# Altium PCB 考勤机主板3.0（改）.PcbDoc
Units mm, origin at the board's own origin, x right, y up, seen from the top; angles counter-clockwise.
Board outline 180 x 117 mm, 2 copper layers (Top Layer, Bottom Layer); 51 components, 73 nets, 258 pads, 83 vias.
Unrouted connection lines stored in the file: 16.
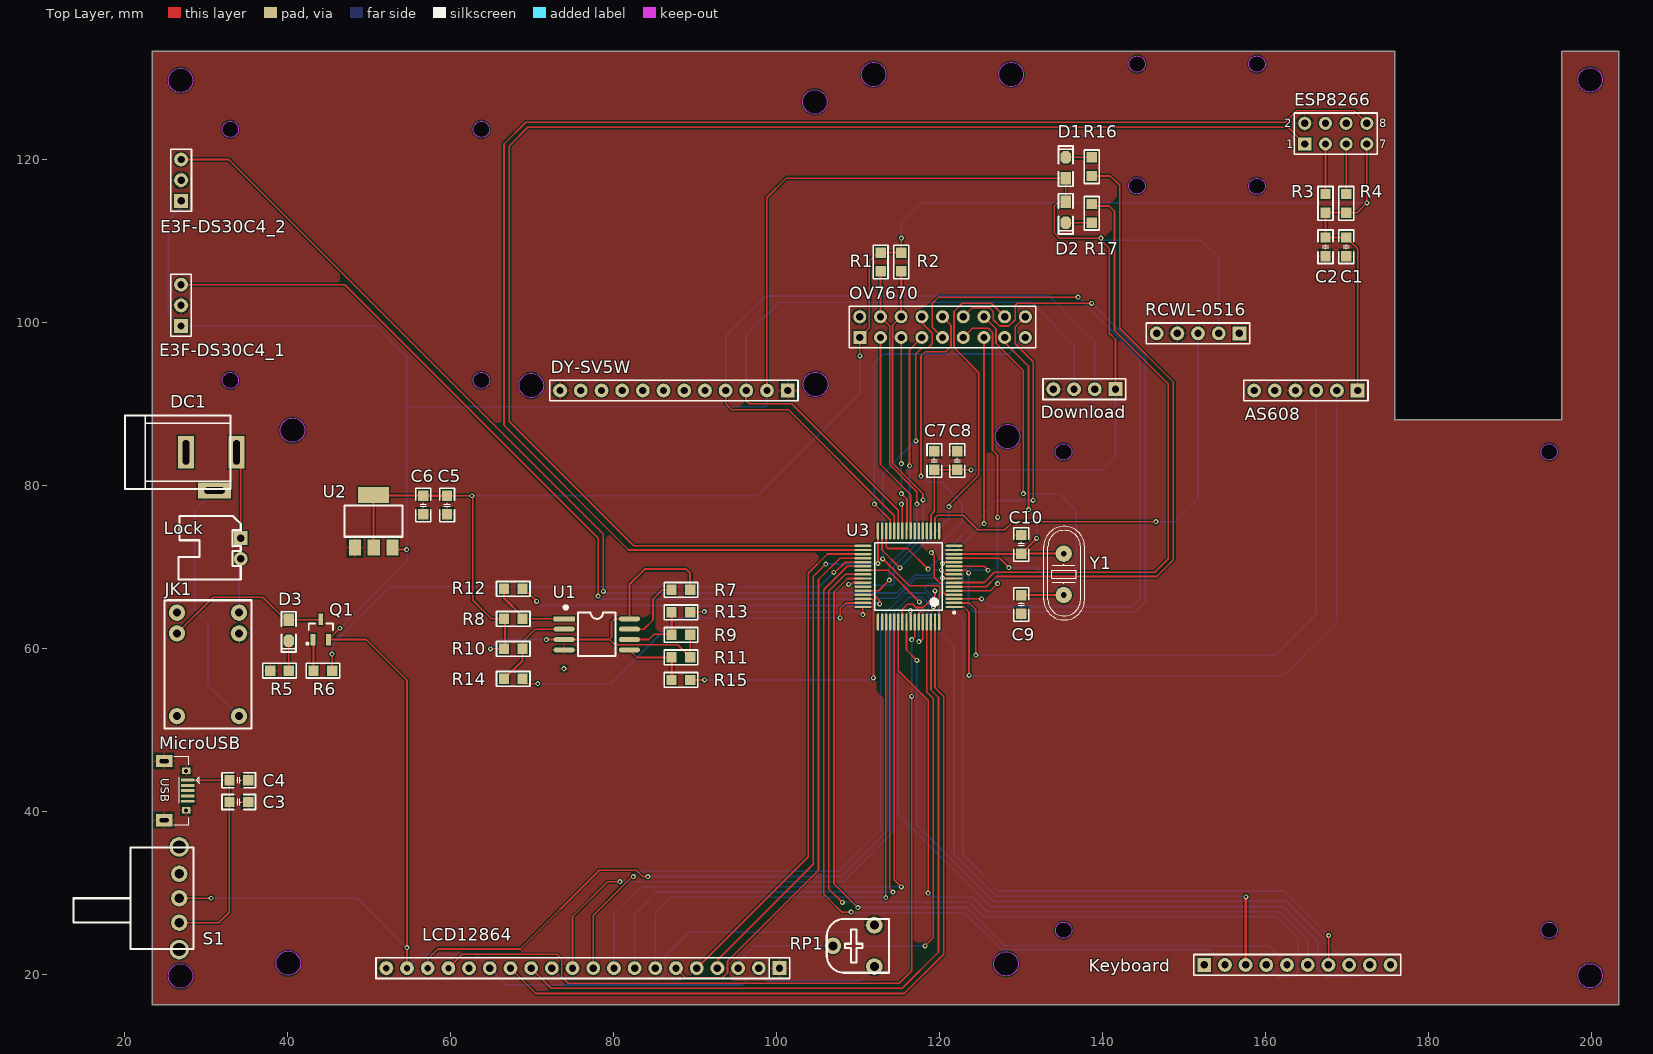
[diagram p0: Top Layer view]
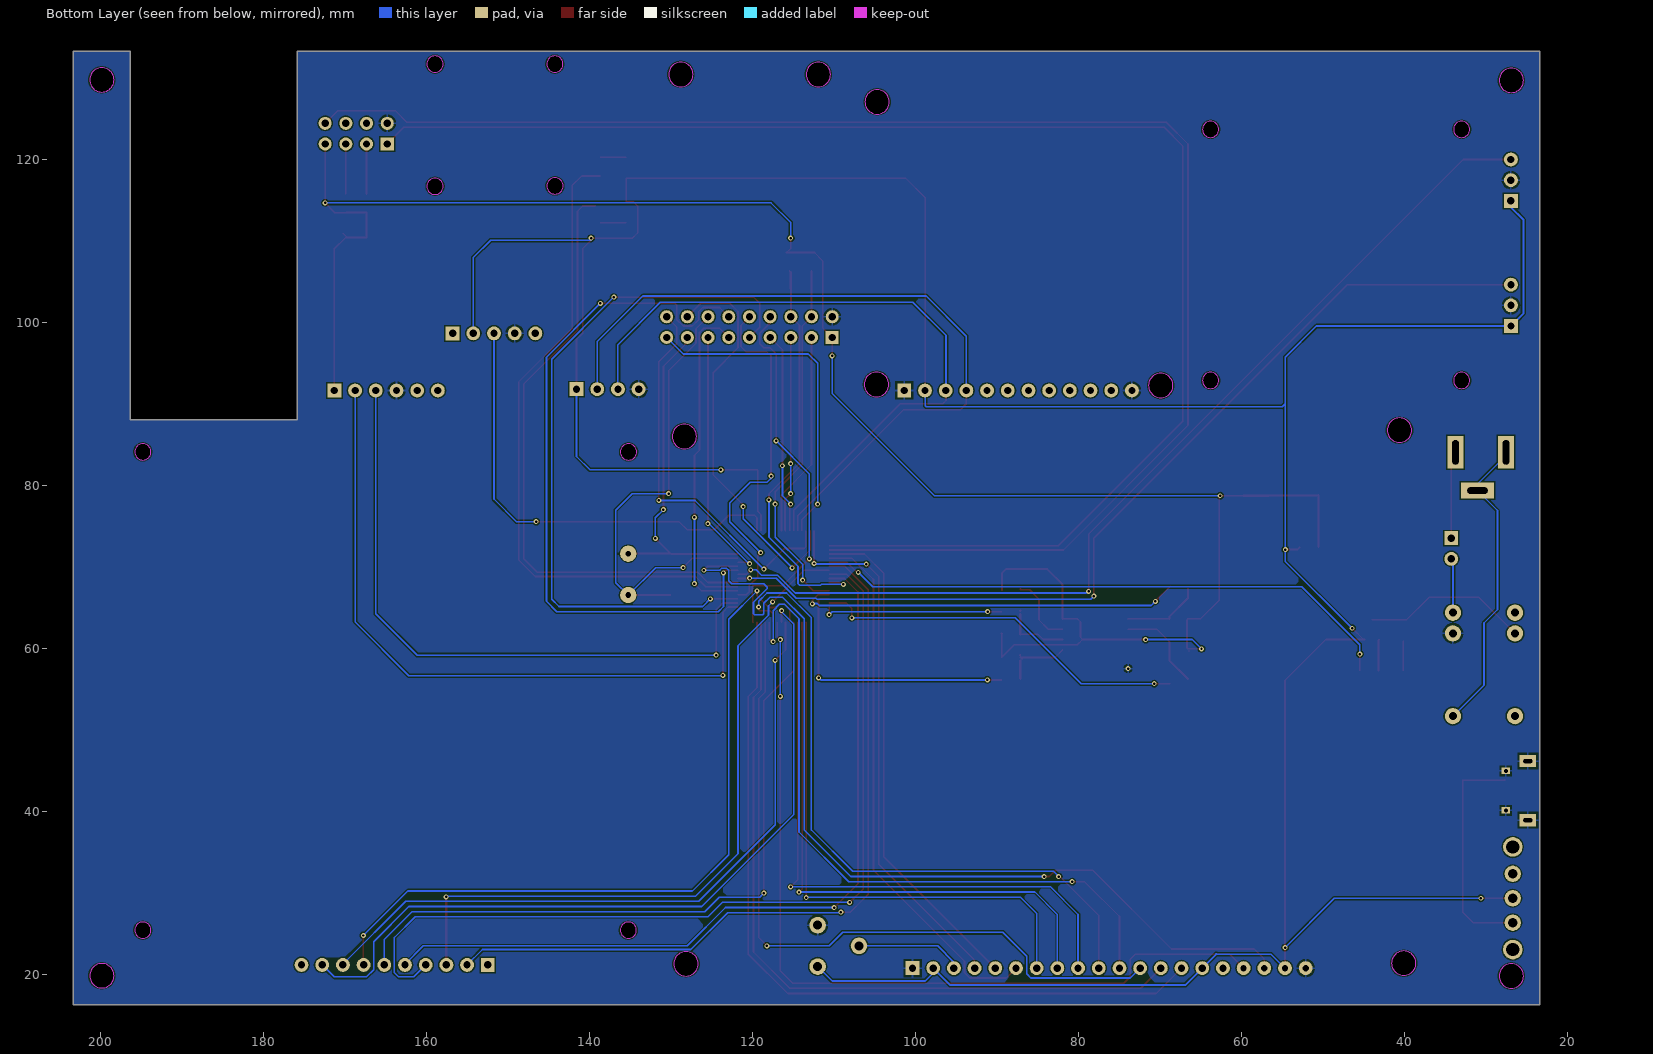
[diagram p1: Bottom Layer view, seen from below]

## Layer stack, top to bottom
Top Solder: solder mask 0.0102, Solder Resist, Dk 3.5
Top Layer: signal copper 0.0356
Dielectric 1: dielectric 0.32, FR-4, Dk 4.8
Bottom Layer: signal copper 0.0356
Bottom Solder: solder mask 0.0102, Solder Resist, Dk 3.5

## Board outline
23.368,16.288 23.368,133.288 175.868,133.288 175.868,88.088 196.368,88.088 196.368,133.288 203.368,133.288 203.368,16.288
cut-out: 32.965,122.706 cw(c32.965,123.706) 31.965,123.706 cw(c32.965,123.706) 32.965,124.706 cw(c32.965,123.706) 33.965,123.706 cw(c32.965,123.706)
cut-out: 111.924,128.952 cw(c111.924,130.452) 110.424,130.452 cw(c111.924,130.452) 111.924,131.952 cw(c111.924,130.452) 113.424,130.452 cw(c111.924,130.452)
cut-out: 128.8,128.952 cw(c128.8,130.452) 127.3,130.452 cw(c128.8,130.452) 128.8,131.952 cw(c128.8,130.452) 130.3,130.452 cw(c128.8,130.452)
cut-out: 40.598,85.287 cw(c40.598,86.787) 39.098,86.787 cw(c40.598,86.787) 40.598,88.287 cw(c40.598,86.787) 42.098,86.787 cw(c40.598,86.787)
cut-out: 104.781,90.903 cw(c104.781,92.403) 103.281,92.403 cw(c104.781,92.403) 104.781,93.903 cw(c104.781,92.403) 106.281,92.403 cw(c104.781,92.403)
cut-out: 135.221,83.119 cw(c135.221,84.119) 134.221,84.119 cw(c135.221,84.119) 135.221,85.119 cw(c135.221,84.119) 136.221,84.119 cw(c135.221,84.119)
cut-out: 40.079,19.867 cw(c40.079,21.367) 38.579,21.367 cw(c40.079,21.367) 40.079,22.867 cw(c40.079,21.367) 41.579,21.367 cw(c40.079,21.367)
cut-out: 158.974,115.723 cw(c158.974,116.723) 157.974,116.723 cw(c158.974,116.723) 158.974,117.723 cw(c158.974,116.723) 159.974,116.723 cw(c158.974,116.723)
cut-out: 144.253,115.768 cw(c144.253,116.768) 143.253,116.768 cw(c144.253,116.768) 144.253,117.768 cw(c144.253,116.768) 145.253,116.768 cw(c144.253,116.768)
cut-out: 158.974,130.723 cw(c158.974,131.723) 157.974,131.723 cw(c158.974,131.723) 158.974,132.723 cw(c158.974,131.723) 159.974,131.723 cw(c158.974,131.723)
cut-out: 144.275,130.723 cw(c144.275,131.723) 143.275,131.723 cw(c144.275,131.723) 144.275,132.723 cw(c144.275,131.723) 145.275,131.723 cw(c144.275,131.723)
cut-out: 104.708,125.581 cw(c104.708,127.081) 103.208,127.081 cw(c104.708,127.081) 104.708,128.581 cw(c104.708,127.081) 106.208,127.081 cw(c104.708,127.081)
cut-out: 69.903,90.776 cw(c69.903,92.276) 68.403,92.276 cw(c69.903,92.276) 69.903,93.776 cw(c69.903,92.276) 71.403,92.276 cw(c69.903,92.276)
cut-out: 199.868,128.288 cw(c199.868,129.788) 198.368,129.788 cw(c199.868,129.788) 199.868,131.288 cw(c199.868,129.788) 201.368,129.788 cw(c199.868,129.788)
cut-out: 194.842,83.122 cw(c194.842,84.122) 193.842,84.122 cw(c194.842,84.122) 194.842,85.122 cw(c194.842,84.122) 195.842,84.122 cw(c194.842,84.122)
cut-out: 194.842,24.414 cw(c194.842,25.414) 193.842,25.414 cw(c194.842,25.414) 194.842,26.414 cw(c194.842,25.414) 195.842,25.414 cw(c194.842,25.414)
cut-out: 135.245,24.414 cw(c135.245,25.414) 134.245,25.414 cw(c135.245,25.414) 135.245,26.414 cw(c135.245,25.414) 136.245,25.414 cw(c135.245,25.414)
cut-out: 63.779,122.706 cw(c63.779,123.706) 62.779,123.706 cw(c63.779,123.706) 63.779,124.706 cw(c63.779,123.706) 64.779,123.706 cw(c63.779,123.706)
cut-out: 63.779,91.892 cw(c63.779,92.892) 62.779,92.892 cw(c63.779,92.892) 63.779,93.892 cw(c63.779,92.892) 64.779,92.892 cw(c63.779,92.892)
cut-out: 32.965,91.892 cw(c32.965,92.892) 31.965,92.892 cw(c32.965,92.892) 32.965,93.892 cw(c32.965,92.892) 33.965,92.892 cw(c32.965,92.892)
cut-out: 128.373,84.521 cw(c128.373,86.021) 126.873,86.021 cw(c128.373,86.021) 128.373,87.521 cw(c128.373,86.021) 129.873,86.021 cw(c128.373,86.021)
cut-out: 26.868,18.288 cw(c26.868,19.788) 25.368,19.788 cw(c26.868,19.788) 26.868,21.288 cw(c26.868,19.788) 28.368,19.788 cw(c26.868,19.788)
cut-out: 128.168,19.788 cw(c128.168,21.288) 126.668,21.288 cw(c128.168,21.288) 128.168,22.788 cw(c128.168,21.288) 129.668,21.288 cw(c128.168,21.288)
cut-out: 26.868,128.223 cw(c26.868,129.723) 25.368,129.723 cw(c26.868,129.723) 26.868,131.223 cw(c26.868,129.723) 28.368,129.723 cw(c26.868,129.723)
cut-out: 199.864,18.323 cw(c199.864,19.823) 198.364,19.823 cw(c199.864,19.823) 199.864,21.323 cw(c199.864,19.823) 201.364,19.823 cw(c199.864,19.823)

## Design rules (kind name [scope] priority, off if disabled: settings)
Clearance [All] p1: gap=0.152 ignorepadtopadclearanceinfootprint=FALSE
HoleSize [All] p1: absolutevalues=TRUE maxlimit=7.62 minlimit=0.025 maxpercent=80.000 minpercent=20.000
MinimumSolderMaskSliver [All] p1: minsoldermaskwidth=0.025
PolygonConnect [All] p1: connectstyle=Relief reliefconductorwidth=0.254 reliefentries=4 polygonreliefangle="90 Angle" airgapwidth=0.254
RoutingVias [All] p1: holewidth=0.305 width=0.61 viastyle="Through Hole" minholewidth=0.305 minwidth=0.61 maxholewidth=0.305 maxwidth=0.61
SilkToSilkClearance [All] p1: silktosilkclearance=0
SilkToSolderMaskClearance [IsPad] p1: minsilkscreentomaskgap=0 clearancetoexposedcopper=TRUE
SolderMaskExpansion [All] p1: expansion=0.102 istentingtop=FALSE
Width [All] p1: maxlimit=1.27 minlimit=0.152 preferedwidth=0.203 minimp=50.000000 maximp=50.000000 favimp=50.000000
26 further rules are at their usual default settings.

## Components (designator, comment, footprint, x,y, rotation, side; value= is the part's Value field where it differs from the comment)
AS608 "HDR-1X6" HDR2.54-LI-6P 164.973,91.662 r180 top
C1 "10uF" "C 0805_M" 169.926,109.298 r90 top
C2 "100nF" "C 0805_M" 167.386,109.298 r90 top
C3 "100nF" "C 0805_M" 34.005,41.148 r180 top
C4 "10uF" "C 0805_M" 34.005,43.815 r180 top
C5 "10uF" "C 0805_M" 59.563,77.597 r90 top
C6 "100nF" "C 0805_M" 56.642,77.597 r90 top
C7 "10uF" "C 0805_M" 119.38,83.058 r90 top
C8 "100nF" "C 0805_M" 122.174,83.058 r90 top
C9 "30pF" "C 0805_M" 130.048,65.405 r90 top
C10 "30pF" "C 0805_M" 130.048,72.771 r270 top
D1 "绿色" "LED 0805G" 135.509,118.999 r90 top
D2 "红色" "LED 0805R" 135.509,113.538 r270 top
D3 "红色" "LED 0805G" 40.132,62.23 r270 top
DC1 "DC005" DC-005 27.521,84.074 r180 top
Download "HDR-1X4" HDR2.54-LI-4P 137.795,91.821 r180 top
DY-SV5W "HDR-1X12" HDR2.54-M-LI-12P 87.406,91.662 r180 top
E3F-DS30C4_1 "HDR-1X3" HDR2.54-M-LI-3P 26.918,102.108 r90 top
E3F-DS30C4_2 "HDR-1X3" HDR2.54-M-LI-3P 26.924,117.475 r90 top
ESP8266 "Header 4X2" HDR2.54-LI-2x4P 168.648,123.183 r0 top
JK1 "继电器HK4100F" "HK4100F - duplicate" 35.56,50.165 r90 top
Keyboard "HDR-1X10" HDR2.54-M-LI-10P 163.929,21.158 r0 top
LCD12864 "HDR-1X20" HDR2.54-M-LI-20P 76.238,20.758 r180 top
Lock "HDR-1X2" XH2.54-WI-2P 34.241,72.263 r270 top
MicroUSB "USB-5P" USB 26.289,42.545 r270 top
OV7670 "Header 9X2" HDR2.54-LI-2x9P 120.381,99.441 r0 top
Q1 "S8550" SOT23-3M 44.069,61.087 r0 top
R1 "4.7K" "R 0805_M" 112.776,107.442 r90 top
R2 "4.7K" "R 0805_M" 115.316,107.442 r90 top
R3 "10K" "R 0805_M" 167.386,114.632 r270 top
R4 "10K" "R 0805_M" 169.926,114.632 r270 top
R5 "1K" "R 0805_M" 38.989,57.277 r180 top
R6 "1K" "R 0805_M" 44.323,57.277 r0 top
R7 "4.7K" "R 0805_M" 88.265,67.183 r0 top
R8 "4.7K" "R 0805_M" 67.691,63.627 r180 top
R9 "4.7K" "R 0805_M" 88.265,61.658 r0 top
R10 "4.7K" "R 0805_M" 67.691,59.944 r180 top
R11 "4.7K" "R 0805_M" 88.265,58.896 r0 top
R12 "330Ω" "R 0805_M" 67.691,67.31 r180 top
R13 "330Ω" "R 0805_M" 88.265,64.421 r180 top
R14 "330Ω" "R 0805_M" 67.691,56.261 r180 top
R15 "330Ω" "R 0805_M" 88.265,56.134 r180 top
R16 "1K" "R 0805_M" 138.684,119.126 r270 top
R17 "1K" "R 0805_M" 138.684,113.411 r90 top
RCWL-0516 "HDR-1X5" HDR2.54-M-LI-5P 151.737,98.671 r180 top
RP1 "10K" RM065 106.934,23.495 r90 top
S1 "SS-12F23" SS-12F23 26.694,29.337 r180 top
U1 "W25Q128" SOP8W_M 77.947,61.73 r0 top
U2 "AMS1117-3V3" SOT-223 48.26,72.39 r0 top
U3 "STC8A8K64S4A12" LQFP-64 116.205,68.834 r180 top
Y1 "32MHz" HC-49S 135.255,69.215 r270 top

## Footprints (in the part's own frame and the unit in brackets; to place one, negate y for a bottom-side part, rotate by r counter-clockwise, add the part's x,y. Pads: shape width x height; smd on the part's side, far side on the other; paste and mask are expansions set on the pad)
"C 0805_M" [mil] "无极性贴片电容"
  rect 50x50 smd: 1(-45,0) 2(45,0)
  silkscreen extent -81,-36 81,36, body extent -39,-24 39,24, height 20
DC-005 [mm] "5.5*2.1mm，DC30V,2.5A"
  rect 2x4 hole 0.8 slot 3 at 90 deg: 1(-6.2,0) 2(0,0)
  rect 4x2 hole 0.8 slot 2.5 at 0 deg: 3(-3.5,4.7)
  silkscreen extent -5.48,-4.5 7.5,4.5, body extent -6.55,-4.5 7.5,4.8, height 11.2
HC-49S [mm]
  round 2 hole 0.711: 1(-2.413,0) 2(2.667,0)
  silkscreen extent -5.77,-2.44 5.72,2.56, body extent -5.4,-2.32 5.65,2.33, height 4.13
HDR2.54-LI-2x4P [mm] "双排排针，4x2脚"
  rect 1.6x1.6 hole 0.9: 1(-3.81,-1.27)
  round 1.6 hole 0.9: 2(-3.81,1.27) 3(-1.27,-1.27) 4(-1.27,1.27) 5(1.27,-1.27) 6(1.27,1.27) 7(3.81,-1.27) 8(3.81,1.27)
  silkscreen extent -5.08,-2.54 5.08,2.54, body extent -5.08,-2.54 5.08,2.54, height 8.5
HDR2.54-LI-2x9P [mm] "双排排针，9x2脚"
  rect 1.6x1.6 hole 0.9: 1(-10.16,-1.27)
  round 1.6 hole 0.9: 2(-10.16,1.27) 3(-7.62,-1.27) 4(-7.62,1.27) 5(-5.08,-1.27) 6(-5.08,1.27) 7(-2.54,-1.27) 8(-2.54,1.27) 9(0,-1.27) 10(0,1.27) 11(2.54,-1.27) 12(2.54,1.27) 13(5.08,-1.27) 14(5.08,1.27) 15(7.62,-1.27) 16(7.62,1.27) 17(10.16,-1.27) 18(10.16,1.27)
  silkscreen extent -11.43,-2.54 11.43,2.54, body extent -11.43,-2.54 11.43,2.54, height 8.5
HDR2.54-LI-4P [mm] "排针，4脚"
  rect 1.7x1.7 hole 0.9: 1(-3.81,0)
  round 1.7 hole 0.9: 2(-1.27,0) 3(1.27,0) 4(3.81,0)
  silkscreen extent -5.08,-1.27 5.08,1.27, body extent -5.08,-1.27 5.08,1.27, height 8.5
HDR2.54-LI-6P [mm] "排针，6脚"
  rect 1.7x1.7 hole 0.9: 1(-6.35,0)
  round 1.7 hole 0.9: 2(-3.81,0) 3(-1.27,0) 4(1.27,0) 5(3.81,0) 6(6.35,0)
  silkscreen extent -7.62,-1.27 7.62,1.27, body extent -7.62,-1.27 7.62,1.27, height 8.5
HDR2.54-M-LI-3P [mm] "排母，3脚"
  rect 1.7x1.7 hole 0.9: 1(-2.54,0)
  round 1.7 hole 0.9: 2(0,0) 3(2.54,0)
  silkscreen extent -3.81,-1.27 3.81,1.27, body extent -3.81,-1.27 3.81,1.27, height 8.5
HDR2.54-M-LI-5P [mm] "排母，5脚"
  rect 1.7x1.7 hole 0.9: 1(-5.08,0)
  round 1.7 hole 0.9: 2(-2.54,0) 3(0,0) 4(2.54,0) 5(5.08,0)
  silkscreen extent -6.35,-1.27 6.35,1.27, body extent -6.35,-1.27 6.35,1.27, height 8.5
HDR2.54-M-LI-10P [mm] "排母，10脚"
  rect 1.7x1.7 hole 0.9: 1(-11.43,0)
  round 1.7 hole 0.9: 2(-8.89,0) 3(-6.35,0) 4(-3.81,0) 5(-1.27,0) 6(1.27,0) 7(3.81,0) 8(6.35,0) 9(8.89,0) 10(11.43,0)
  silkscreen extent -12.7,-1.27 12.7,1.27, body extent -12.7,-1.27 12.7,1.27, height 8.5
HDR2.54-M-LI-12P [mm] "排母，12脚"
  rect 1.7x1.7 hole 0.9: 1(-13.97,0)
  round 1.7 hole 0.9: 2(-11.43,0) 3(-8.89,0) 4(-6.35,0) 5(-3.81,0) 6(-1.27,0) 7(1.27,0) 8(3.81,0) 9(6.35,0) 10(8.89,0) 11(11.43,0) 12(13.97,0)
  silkscreen extent -15.24,-1.27 15.24,1.27, body extent -15.24,-1.27 15.24,1.27, height 8.5
HDR2.54-M-LI-20P [mm] "排母，20脚"
  rect 1.7x1.7 hole 0.9: 1(-24.13,0)
  round 1.7 hole 0.9: 2(-21.59,0) 3(-19.05,0) 4(-16.51,0) 5(-13.97,0) 6(-11.43,0) 7(-8.89,0) 8(-6.35,0) 9(-3.81,0) 10(-1.27,0) 11(1.27,0) 12(3.81,0) 13(6.35,0) 14(8.89,0) 15(11.43,0) 16(13.97,0)
  round 1.7 hole 0.762: 17(16.51,0) 18(19.05,0) 19(21.59,0) 20(24.13,0)
  silkscreen extent -25.4,-1.27 25.4,1.27, body extent -25.4,-1.27 25.4,1.27, height 8.5
"HK4100F - duplicate" [mm]
  round 2 hole 1: 1(1.524,9.144) 2(11.684,9.144) 3(14.224,9.144) 4(14.224,1.524) 5(11.684,1.524) 6(1.524,1.524)
  silkscreen extent 0,0 15.75,10.67
"LED 0805G" [mil] "绿色0805LED"
  rect 60x50 smd: 1(-50,0)
  oct 60x50 smd: 2(50,0)
  silkscreen extent -90,-35 105,35, body extent -39,-25 39,25, height 32
"LED 0805R" [mil] "红色0805LED"
  rect 60x50 smd: 1(-50,0)
  oct 60x50 smd: 2(50,0)
  silkscreen extent -90,-35 105,35, body extent -39,-25 39,25, height 32
LQFP-64 [mm] "LQFP64"
  oval 2.1x0.3 smd: 1(-5.6,3.75) 2(-5.6,3.25) 3(-5.6,2.75) 4(-5.6,2.25) 5(-5.6,1.75) 6(-5.6,1.25) 7(-5.6,0.75) 8(-5.6,0.25) 9(-5.6,-0.25) 10(-5.6,-0.75) 11(-5.6,-1.25) 12(-5.6,-1.75) 13(-5.6,-2.25) 14(-5.6,-2.75) 15(-5.6,-3.25) 16(-5.6,-3.75) 33(5.6,-3.75) 34(5.6,-3.25) 35(5.6,-2.75) 36(5.6,-2.25) 37(5.6,-1.75) 38(5.6,-1.25) 39(5.6,-0.75) 40(5.6,-0.25) 41(5.6,0.25) 42(5.6,0.75) 43(5.6,1.25) 44(5.6,1.75) 45(5.6,2.25) 46(5.6,2.75) 47(5.6,3.25) 48(5.6,3.75)
  oval 0.3x2.1 smd: 17(-3.75,-5.6) 18(-3.25,-5.6) 19(-2.75,-5.6) 20(-2.25,-5.6) 21(-1.75,-5.6) 22(-1.25,-5.6) 23(-0.75,-5.6) 24(-0.25,-5.6) 25(0.25,-5.6) 26(0.75,-5.6) 27(1.25,-5.6) 28(1.75,-5.6) 29(2.25,-5.6) 30(2.75,-5.6) 31(3.25,-5.6) 32(3.75,-5.6) 49(3.75,5.6) 50(3.25,5.6) 51(2.75,5.6) 52(2.25,5.6) 53(1.75,5.6) 54(1.25,5.6) 55(0.75,5.6) 56(0.25,5.6) 57(-0.25,5.6) 58(-0.75,5.6) 59(-1.25,5.6) 60(-1.75,5.6) 61(-2.25,5.6) 62(-2.75,5.6) 63(-3.25,5.6) 64(-3.75,5.6)
  silkscreen extent -5.72,-4.15 4.15,4.57, body extent -5,-5 5,5, height 1.6
"R 0805_M" [mil] "1/8W贴片电阻"
  rect 50x50 smd: 1(-45,0) 2(45,0)
  silkscreen extent -81,-36 81,36, body extent -39,-25 39,25, height 20
RM065 [mil] "蓝白可调电位器"
  round 80 hole 43.31: 1(-100,-200) 2(0,0) 3(100,-200)
  silkscreen extent -130,-270 130,30, body extent -128,-269 128,30, height 299
SOP8W_M [mm] "5.3*8.3*1.8mm（长宽高）"
  rect 2.6x0.6 smd: 1(-4,1.905)
  oval 2.6x0.6 smd: 2(-4,0.635) 3(-4,-0.635) 4(-4,-1.905) 5(4,-1.905) 6(4,-0.635) 7(4,0.635) 8(4,1.905)
  silkscreen extent -3.94,-2.67 2.29,3.43, body extent -3.94,-2.64 3.94,2.64, height 1.9
SOT23-3M [mm] "3x1.3x1mm(长宽高)"
  rect 0.6x1.4 smd: 1(-0.95,0) 2(0.95,0) 3(0,2.514)
  silkscreen extent -1.78,-0.63 1.5,1.97, body extent -1.5,0.07 1.5,2.47, height 1.05
SOT-223 [mil]
  rect 59x79 smd: 1(0,0) 2(90.55,0) 3(181.1,0)
  rect 150x79 smd: 2(89.88,253.54)
  silkscreen extent -49,52 231,202, body extent -38,-13 218,263, height 73
SS-12F23 [mm] "脚距3mm"
  round 2.4 hole 1.6: 0(0,6.3) 0(0,-6.3)
  round 2 hole 1.2: 1(0,3) 2(0,0) 3(0,-3)
  silkscreen extent -1.75,-6.25 13,6.25, body extent -0.61,-6.52 12.29,6.48, height 5.75
USB [mm]
  rect 0.35x1.6 smd: 1(-1.3,1.45) 2(-0.65,1.45) 3(0,1.45) 4(0.65,1.45) 5(1.3,1.45)
  rect 1.5x2 hole 0.5 slot 1.1 at 90 deg: 5(-3.625,-1.45) 5(3.625,-1.45)
  rect 0.8x1 hole 0.5: 5(-2.425,1.26) 5(2.425,1.26)
  silkscreen extent -4.19,-0.28 4.19,2.85, body extent -4,-4.16 4,1.44, height 2.8
XH2.54-WI-2P [mm] "接插件，2P"
  rect 1.7x1.7 hole 0.9: 1(-1.27,0)
  round 1.7 hole 0.9: 2(1.27,0)
  silkscreen extent -3.99,-7.62 3.81,0, body extent -3.77,-7.35 3.77,0.35, height 5.73

## Part data
AS608: library part 指纹模块, "AS608", BOM名称=6P接插件, 学习资源=www.ooocke.com, 版权归属=源创客
C1 C2 C3 C4 C5 C6 C7 C8 C9 C10: library part C, "无极性贴片电容", BOM名称=无极性贴片电容, 学习资源=www.ooocke.com, 版权归属=源创客
D1 D2 D3: library part LED-SMD, "贴片LED", BOM名称=贴片LED, 学习资源=www.ooocke.com, 版权归属=源创客
Download: library part 串口下载, "串口下载", BOM名称=4P接插件, 学习资源=www.ooocke.com, 版权归属=源创客
DY-SV5W: library part 语音模块, "DY-SV5W", BOM名称=12P接插件, 学习资源=www.ooocke.com, 版权归属=源创客
E3F-DS30C4_1 E3F-DS30C4_2: library part 红外感应开关, "E3F-DS30C4", BOM名称=3P接插件, 学习资源=www.ooocke.com, 版权归属=源创客
ESP8266: library part WIFI模块, "ESP8266-01", BOM名称=4*2P接插件, 学习资源=www.ooocke.com, 版权归属=源创客
Keyboard: library part 键盘, "Keyboard", BOM名称=10P接插件, 学习资源=www.ooocke.com, 版权归属=源创客
LCD12864: library part 显示屏, "LCD12864", BOM名称=20P接插件, 学习资源=www.ooocke.com, 版权归属=源创客
Lock: library part 电磁锁, "电磁锁", BOM名称=2P接插件, 学习资源=www.ooocke.com, 版权归属=源创客
MicroUSB: library part MiceoUSB接口, "MicroUSB", BOM名称=微型USB母座, 学习资源=www.ooocke.com, 版权归属=源创客
OV7670: library part 摄像头, "OV7670", BOM名称=9*2P接插件, 学习资源=www.ooocke.com, 版权归属=源创客
Q1: library part 8550-SMD, "高频放大-PNP型", BOM名称=高频放大-PNP型, 学习资源=www.ooocke.com, 属性="40V 1.5A 1W 100MHZ", 版权归属=源创客
R1 R2 R3 R4 R5 R6 R7 R8 R9 R10 R11 R12 R13 R14 R15 R16 R17: library part R, "贴片电阻", BOM名称=贴片电阻, 学习资源=www.ooocke.com, 版权归属=源创客
RCWL-0516: library part 传感器, "RCWL-0516", BOM名称=5P接插件, 学习资源=www.ooocke.com, 版权归属=源创客
RP1: library part RP-ID, "插件单联电位器", BOM名称=插件电位器, 学习资源=www.ooocke.com, 版权归属=源创客
S1: library part SSW-1P, "1路波动开关", BOM名称=波动开关, 学习资源=www.ooocke.com, 版权归属=源创客
U1: "离线存储芯片", BOM名称=外置Flash, 学习资源=www.ooocke.com, 版权归属=源创客
U2: library part AMS1117, "三端稳压芯片", BOM名称=稳压芯片, 学习资源=www.ooocke.com, 版权归属=源创客
U3: "IC"
Y1: library part XTAL-2P, "2脚无源脚晶振", BOM名称=2脚无源脚晶振, 学习资源=www.ooocke.com, 版权归属=源创客

## Via types
v1: diameter 0.61, hole 0.305, Top Layer to Bottom Layer, 83 vias

## Nets (pads, with @x,y where several pads share a name; then routed paths per layer and width w, separated by ;. In a path a pad name is that pad's centre, name@x,y a point inside that pad or via, vN(x,y) a via of type N, cw(c..) or ccw(c..) an arc to the next point about the centre after c; other vN are vias at no path point)
FWCS: R12.1 U3.45 | length 47.7
  Top Layer w0.203: R12.1@68.738,67.606 v1(70.558,65.786) ; U3.45 111.978,66.584 112.649,65.913 v1(112.649,65.481)
  Bottom Layer w0.203: v1(70.558,65.786) 71.066,65.278 111.819,65.278 112.055,65.514 112.616,65.514 v1(112.649,65.481)
FWCSK: R13.1 U3.48 | length 22.3
  Top Layer w0.203: R13.1@89.408,64.516 v1(91.162,64.516) ; v1(110.605,64.147) U3.48
  Bottom Layer w0.203: v1(91.162,64.516) 110.236,64.516 v1(110.605,64.147)
FWSI: R14.1 U3.47 | length 46.6
  Top Layer w0.203: R14.1@68.738,55.668 v1(70.697,55.668) ; v1(107.823,63.754) 107.823,64.897 108.51,65.584 U3.47
  Bottom Layer w0.203: v1(70.697,55.668) 79.671,55.668 87.757,63.754 v1(107.823,63.754)
FWSO: R15.1 U3.46 | length 33.5
  Top Layer w0.203: R15.1 v1(91.186,56.134) ; U3.46 110.618,66.071 111.729,66.071 111.909,65.891 111.909,56.41 v1(111.887,56.388)
  Bottom Layer w0.203: v1(91.186,56.134) 111.633,56.134 v1(111.887,56.388)
GND: AS608.4 C1.1 C2.1 C3.1 C4.1 C5.1 C6.1 C7.2 C8.2 C9.1 C10.1 Download.4 DY-SV5W.1 DY-SV5W.12 E3F-DS30C4_1.2 E3F-DS30C4_2.2 ESP8266.2 JK1.5 LCD12864.1 LCD12864.20 MicroUSB.5 OV7670.2 R5.2 RCWL-0516.4 RP1.3 U1.4 U2.1 U3.15 U3.21 | length 1
  Top Layer w0.203: U3.21 U3.21@117.955,75.438
  other v1: 73.914,57.531
MCU_RXD: Download.3 DY-SV5W.3 U3.27 | length 84.4
  Top Layer w0.203: DY-SV5W.3@96.266,91.694 96.266,90.424 96.647,90.043 101.854,90.043 114.955,76.942 U3.27
  Bottom Layer w0.203: DY-SV5W.3@96.266,91.662 96.266,98.425 100.33,102.489 131.318,102.489 136.525,97.282 Download.3
MCU_RXD3_2: ESP8266.1 U3.33 | length 183
  Top Layer w0.203: U3.33 82.483,72.584 67.183,87.884 67.183,121.666 69.469,123.952 162.799,123.952 ESP8266.1
MCU_RXD4_2: AS608.2 U3.1 | length 86.2
  Top Layer w0.203: U3.1 123.003,65.084 123.634,64.453 v1(123.634,56.706)
  Bottom Layer w0.203: v1(123.634,56.706) 123.698,56.642 162.179,56.642 168.783,63.246 AS608.2
MCU_TXD: Download.2 DY-SV5W.4 U3.28 | length 92.1
  Top Layer w0.203: DY-SV5W.4 93.756,90.013 94.488,89.281 101.473,89.281 114.455,76.299 U3.28
  Bottom Layer w0.203: DY-SV5W.4 93.756,98.328 98.679,103.251 133.477,103.251 139.065,97.663 Download.2
MCU_TXD3_2: ESP8266.8 U3.34 | length 193.2
  Top Layer w0.203: U3.34 81.84,72.084 66.548,87.376 66.548,121.92 69.215,124.587 162.433,124.587 163.83,125.984 170.927,125.984 ESP8266.8
MCU_TXD4_2: AS608.3 U3.2 | length 79.9
  Top Layer w0.203: U3.2 123.646,65.584 124.46,64.77 v1(124.46,59.182)
  Bottom Layer w0.203: v1(124.46,59.182) 161.163,59.182 166.243,64.262 AS608.3
NetD1_2: D1.2 R16.1 | length 3.2
  Top Layer w0.203: D1.2 R16.1
NetD2_2: D2.2 R17.1 | length 3.2
  Top Layer w0.203: D2.2 R17.1
NetD3_1: D3.1 JK1.2 Q1.3 | length 20.6
  Top Layer w0.203: JK1.2 30.861,66.294 36.957,66.294 39.751,63.5 Q1.3@43.968,63.5
NetD3_2: D3.2 R5.1 | length 3.7
  Top Layer w0.203: R5.1 D3.2
NetDC1_2: DC1.2 DC1.3 JK1.6 | length 39
  Bottom Layer w0.203: DC1.2@28.321,84.074 28.321,82.874 31.821,79.374 31.208,79.374 DC1.3@30.309,78.476 ; DC1.3 28.575,76.928 28.575,64.77 30.226,63.119 30.226,55.499 JK1.6
NetESP8266_3: ESP8266.3 R3.1 | length 6.1
  Top Layer w0.203: R3.1 ESP8266.3@167.386,121.913
NetESP8266_5: ESP8266.5 R4.1 | length 6.1
  Top Layer w0.203: R4.1 ESP8266.5@169.926,121.913
NetJK1_4: JK1.4 Lock.2 | length 6.6
  Bottom Layer w0.203: JK1.4 Lock.2@34.036,70.993
NetQ1_1: Q1.1 R6.1 | length 3.8
  Top Layer w0.203: Q1.1 43.119,61.026 43.18,60.965 R6.1
P00: LCD12864.7 U3.51 | length 69.7
  Top Layer w0.203: v1(113.411,29.413) 113.411,63.19 U3.51
  Bottom Layer w0.203: LCD12864.7 85.128,27.47 87.122,29.464 113.36,29.464 v1(113.411,29.413)
P01: LCD12864.8 U3.52 | length 72.7
  Top Layer w0.203: U3.52 113.936,63.216 113.936,62.247 113.919,62.23 113.919,30.48 v1(114.3,30.099)
  Bottom Layer w0.203: LCD12864.8 82.588,27.343 85.344,30.099 v1(114.3,30.099)
P02: LCD12864.9 U3.53 | length 76.1
  Top Layer w0.203: U3.53 114.455,31.595 v1(115.316,30.734)
  Bottom Layer w0.203: LCD12864.9 80.048,27.343 83.439,30.734 v1(115.316,30.734)
P03: LCD12864.10 U3.59 | length 84.3
  Top Layer w0.203: LCD12864.10 77.508,27.216 82.132,31.84 82.149,31.84 82.313,32.004 v1(82.423,32.004) ; U3.59 117.455,64.248 117.85,64.643 119.126,64.643 119.253,64.77 v1(119.253,65.086)
  Bottom Layer w0.203: v1(82.423,32.004) 83.058,32.639 107.696,32.639 112.776,37.719 112.776,63.754 115.824,66.802 118.237,66.802 119.253,65.786 v1(119.253,65.086)
P04: LCD12864.11 U3.60 | length 86.8
  Top Layer w0.203: LCD12864.11 74.968,27.089 79.248,31.369 v1(80.772,31.369) ; v1(117.475,60.833) 117.602,60.833 117.955,61.186 U3.60